# Allegro board 6089-119-RevA_41.brd (continued)
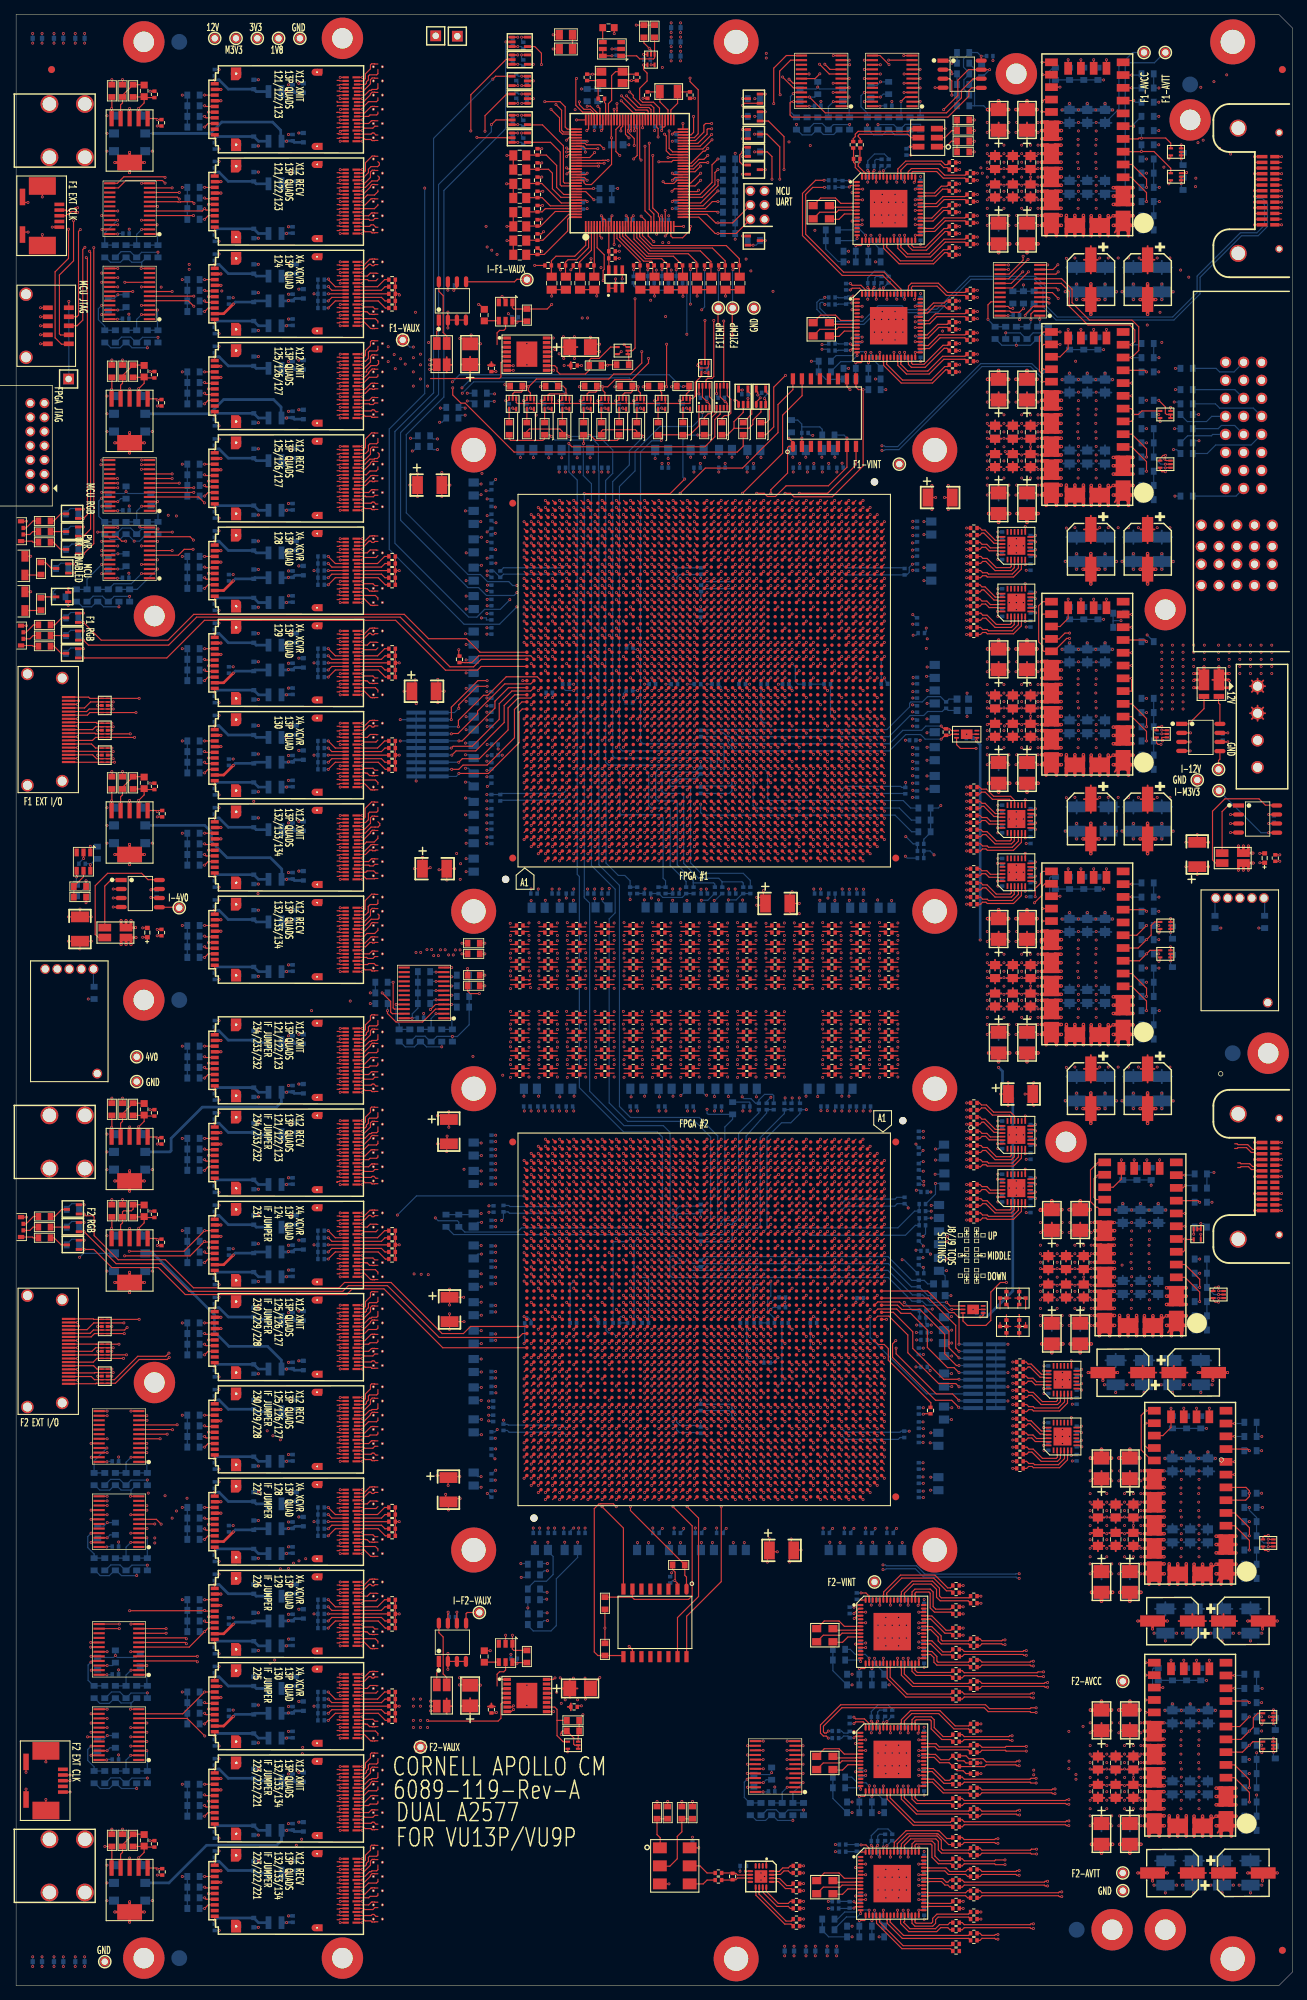
[diagram p0: board, top side]
## Routing (per net, layer and track width the routed paths; a pad name or vN(x,y) marks a point on that pad's centre or on a via; arc(x,y) is an arc through that point) (continued)
NF1_FF1_XMIT0: length 99.6
  TOP w0.165: 45.25,260.97 45.45,260.97 45.52,260.89 45.85,260.89 45.86,260.9 U24A.B17 ; U75.BB44 113.39,202.29
  SIG1 w0.083: 113.39,202.29 113.39,202.03 arc(113.38,201.98) 113.36,201.94 arc(113.31,201.91) 113.25,201.9 113.14,201.9 arc(113.05,201.94) 113.01,202.03 113.01,210.31 arc(112.88,210.94) 112.53,211.47 97.5,226.5 arc(97.06,226.8) 96.54,226.9 90.19,226.9 arc(89.55,227.03) 89.02,227.38 57.55,258.85 arc(56.77,259.37) 55.86,259.55 51.05,259.55 arc(50.31,259.7) 49.68,260.12 49.55,260.25 arc(49,260.62) 48.35,260.75 45.51,260.75 arc(45.48,260.75) 45.45,260.77 45.25,260.97
NF1_FF1_XMIT1: length 95.4
  TOP w0.165: U75.BC46 114.39,204.29 ; U24A.A17 50.05,260.9 50.21,261.06 50.44,261.06 50.72,260.78 51,260.78
  SIG2 w0.083: 114.39,204.29 114.39,204.03 arc(114.38,203.98) 114.36,203.94 arc(114.31,203.91) 114.25,203.9 114.14,203.9 arc(114.05,203.94) 114.01,204.03 114.01,211.36 arc(113.88,211.99) 113.53,212.52 99.71,226.34 arc(99.09,226.75) 98.36,226.9 90.09,226.9 arc(89.54,227.01) 89.08,227.32 56.12,260.28 arc(55.87,260.45) 55.58,260.5 52.17,260.5 arc(52.14,260.51) 52.11,260.53 52.11,260.54 arc(52.08,260.55) 52.05,260.56 52,260.56 51.88,260.68 arc(51.77,260.76) 51.64,260.78 51,260.78
NF1_FF1_XMIT2: length 102.3
  TOP w0.165: 45.25,262.47 45.58,262.47 45.65,262.4 U24A.B14 ; U75.BD44 115.39,202.29
  SIG1 w0.083: 115.39,202.29 115.39,202.03 arc(115.38,201.98) 115.36,201.94 arc(115.31,201.91) 115.25,201.9 115.14,201.9 arc(115.1,201.9) 115.06,201.92 arc(115.04,201.94) 115.03,201.96 arc(115.01,201.99) 115.01,202.03 115.01,210.45 arc(114.9,211) 114.59,211.46 98.55,227.5 arc(98.11,227.8) 97.59,227.9 90.78,227.9 arc(90.06,228.04) 89.45,228.45 56.93,260.97 arc(56.34,261.36) 55.65,261.5 50.39,261.5 arc(49.8,261.62) 49.3,261.95 arc(48.97,262.17) 48.59,262.25 45.51,262.25 arc(45.48,262.25) 45.45,262.27 45.25,262.47
NF1_FF1_XMIT3: length 98.3
  TOP w0.165: U75.BE46 116.39,204.29 ; U24A.A14 49.7,262.4 50.08,262.78 50.16,262.78 50.19,262.81 50.54,262.81 50.57,262.78 51,262.78
  SIG2 w0.083: 51,262.78 51.64,262.78 arc(51.77,262.76) 51.88,262.68 52,262.56 52.05,262.56 arc(52.08,262.55) 52.11,262.54 52.11,262.53 arc(52.14,262.51) 52.17,262.5 54.99,262.5 arc(55.36,262.43) 55.68,262.22 89.58,228.32 arc(90.04,228.01) 90.59,227.9 99.46,227.9 arc(100.19,227.75) 100.81,227.34 115.53,212.62 arc(115.88,212.09) 116.01,211.46 116.01,204.03 arc(116.05,203.94) 116.14,203.9 116.25,203.9 arc(116.31,203.91) 116.36,203.94 arc(116.38,203.98) 116.39,204.03 116.39,204.29
NF1_FF1_XMIT4: length 105.2
  TOP w0.165: 45.22,263.96 45.25,263.96 45.25,263.97 45.58,263.97 45.65,263.9 U24A.B11 ; U75.BF44 117.39,202.29
  SIG1 w0.083: 117.39,202.29 117.39,202.03 arc(117.38,201.98) 117.36,201.94 arc(117.31,201.91) 117.25,201.9 117.14,201.9 arc(117.05,201.94) 117.01,202.03 117.01,210.46 arc(116.88,211.09) 116.53,211.62 99.65,228.5 arc(99.21,228.8) 98.69,228.9 90.54,228.9 arc(90.5,228.91) 90.47,228.93 90.25,229.15 56.28,263.12 arc(55.91,263.36) 55.48,263.45 49.61,263.45 arc(49.42,263.49) 49.25,263.6 arc(49.09,263.71) 48.9,263.75 45.51,263.75 arc(45.48,263.75) 45.45,263.77 45.25,263.97 45.25,263.96 45.22,263.96
NF1_FF1_XMIT5: length 103.6
  TOP w0.165: 48.05,263.9 U24A.A11 49.15,263.9 50.03,264.78 50.16,264.78 50.19,264.81 50.54,264.81 50.57,264.78 51,264.78 ; U75.BH44 119.39,202.29
  SIG2 w0.083: 51,264.78 51.64,264.78 arc(51.77,264.76) 51.88,264.68 52,264.56 52.05,264.56 arc(52.08,264.55) 52.11,264.54 52.11,264.53 arc(52.14,264.51) 52.17,264.5 54.49,264.5 arc(54.86,264.43) 55.18,264.22 90.02,229.38 arc(90.55,229.03) 91.19,228.9 100.31,228.9 arc(101.04,228.75) 101.66,228.34 110.09,219.91 118.53,211.47 arc(118.88,210.94) 119.01,210.31 119.01,202.11 arc(119.07,201.96) 119.23,201.9 119.31,201.9 arc(119.37,201.92) 119.39,201.98 119.39,202.29
NF1_FF1_XMIT6: length 110.4
  TOP w0.165: U24A.B8 45.3,265.4 45.25,265.45 45.25,265.54 ; U75.BJ42 120.39,200.29
  SIG1 w0.083: 45.25,265.54 45.25,265.45 45.45,265.25 45.86,265.25 48.81,265.25 arc(49.07,265.3) 49.3,265.45 arc(49.41,265.52) 49.54,265.55 54.89,265.55 arc(55.31,265.46) 55.68,265.22 90.75,230.15 arc(91.03,229.97) 91.36,229.9 99.54,229.9 arc(100.06,229.8) 100.5,229.5 119.59,210.41 arc(119.9,209.95) 120.01,209.4 120.01,200.11 arc(120.07,199.96) 120.23,199.9 120.31,199.9 arc(120.37,199.92) 120.39,199.98 120.39,200.29
NF1_FF1_XMIT7: length 109.9
  TOP w0.165: 48.05,265.4 U24A.A8 48.9,265.4 49.95,266.45 49.95,266.57 50.19,266.81 50.54,266.81 50.57,266.78 51,266.78 ; U75.BG42 118.39,200.29
  SIG2 w0.083: 118.39,200.29 118.39,199.98 arc(118.37,199.92) 118.31,199.9 118.23,199.9 arc(118.07,199.96) 118.01,200.11 118.01,200.5 arc(118.07,200.63) 118.2,200.69 119.55,200.69 arc(119.87,200.82) 120,201.14 120,211.19 arc(119.9,211.71) 119.6,212.15 116.99,214.76 116.99,214.77 116.66,215.09 116.66,215.09 102.31,229.44 arc(101.8,229.78) 101.19,229.9 91.69,229.9 arc(91.05,230.03) 90.52,230.38 54.68,266.22 arc(54.36,266.43) 53.99,266.5 52.17,266.5 arc(52.14,266.51) 52.11,266.53 52.11,266.54 arc(52.08,266.55) 52.05,266.56 52,266.56 51.88,266.68 arc(51.77,266.76) 51.64,266.78 51,266.78
NF1_FF1_XMIT8: length 110.6
  TOP w0.165: U24A.B5 45.65,266.9 45.58,266.97 45.25,266.97 ; U75.BK44 121.39,202.29
  SIG1 w0.083: 45.25,266.97 45.45,266.77 arc(45.48,266.75) 45.51,266.75 48.37,266.75 arc(48.9,266.85) 49.35,267.15 49.42,267.22 arc(49.74,267.43) 50.12,267.51 54.29,267.51 arc(54.84,267.4) 55.32,267.08 91.25,231.15 arc(91.53,230.97) 91.86,230.9 100.29,230.9 arc(100.81,230.8) 101.25,230.5 116.66,215.09 116.66,215.09 116.99,214.77 116.99,214.76 120.53,211.22 arc(120.88,210.69) 121.01,210.06 121.01,202.11 arc(121.07,201.96) 121.23,201.9 121.31,201.9 arc(121.37,201.92) 121.39,201.98 121.39,202.29
NF1_FF1_XMIT9: length 111.9
  TOP w0.165: 48.05,266.9 U24A.A5 48.86,266.9 49.95,267.99 49.95,268.23 49.95,268.23 49.95,268.57 50.19,268.81 50.54,268.81 50.57,268.78 51,268.78 ; U75.BL42 122.39,200.29
  SIG2 w0.083: 122.39,200.29 122.39,199.98 arc(122.37,199.92) 122.31,199.9 122.23,199.9 arc(122.07,199.96) 122.01,200.11 122.01,211.76 arc(121.9,212.29) 121.6,212.75 104.03,230.32 arc(103.38,230.75) 102.62,230.9 91.99,230.9 arc(91.54,230.99) 91.15,231.25 54.12,268.28 arc(53.87,268.45) 53.58,268.5 52.17,268.5 arc(52.14,268.51) 52.11,268.53 52.11,268.54 arc(52.08,268.55) 52.05,268.56 52,268.56 51.88,268.68 arc(51.77,268.76) 51.64,268.78 51,268.78
NF1_FF1_XMIT10: length 118.1
  TOP w0.165: 45.25,268.47 45.58,268.47 45.65,268.4 U24A.B2 ; U75.BK40 121.39,198.29
  SIG1 w0.083: 121.39,198.29 121.39,197.98 arc(121.37,197.92) 121.31,197.9 121.23,197.9 arc(121.07,197.96) 121.01,198.11 121.01,198.5 arc(121.07,198.63) 121.2,198.69 121.6,198.69 arc(121.88,198.81) 122,199.09 122,211.84 arc(121.91,212.26) 121.67,212.63 103.1,231.2 arc(102.32,231.72) 101.41,231.9 92.59,231.9 arc(92.04,232.01) 91.58,232.32 54.81,269.09 arc(54.47,269.32) 54.06,269.4 50.69,269.4 arc(50.1,269.28) 49.6,268.95 arc(48.82,268.43) 47.9,268.25 45.51,268.25 arc(45.48,268.25) 45.45,268.27 45.25,268.47
NF1_FF1_XMIT11: length 120
  TOP w0.165: U75.BL38 122.39,196.29 ; U24A.A2 48.66,268.4 48.66,268.4 48.91,268.4 49.24,268.72 49.24,269.39 49.95,270.1 49.95,270.65 50.12,270.81 50.54,270.81 50.57,270.78 51,270.78
  SIG2 w0.083: 51,270.78 51.64,270.78 arc(51.77,270.76) 51.88,270.68 52,270.56 52.05,270.56 arc(52.08,270.55) 52.11,270.54 52.11,270.53 arc(52.14,270.51) 52.17,270.5 53.08,270.5 arc(53.37,270.45) 53.62,270.28 91.68,232.22 arc(92.03,231.98) 92.45,231.9 104.09,231.9 arc(104.61,231.8) 105.05,231.5 122.75,213.8 arc(123.13,213.24) 123.26,212.57 123.26,197.24 arc(123.1,196.85) 122.71,196.69 122.2,196.69 arc(122.07,196.63) 122.01,196.5 122.01,196.11 arc(122.07,195.96) 122.23,195.9 122.31,195.9 arc(122.37,195.92) 122.39,195.98 122.39,196.29
NF1_FF2_RECV0: length 59.2
  TOP w0.165: 51,208.78 50.72,208.78 50.44,209.06 50.21,209.06 50.05,208.9 U28A.A17 ; U75.AF49 97.39,207.29
  SIG3 w0.083: 51,208.78 51.64,208.78 arc(51.77,208.76) 51.88,208.68 52,208.56 52.05,208.56 arc(52.08,208.55) 52.11,208.54 52.11,208.53 arc(52.14,208.51) 52.17,208.5 60.78,208.5 arc(61.55,208.66) 62.19,209.09 68.11,215 arc(69.1,215.67) 70.27,215.9 91.41,215.9 arc(92.14,215.75) 92.76,215.34 96.02,212.08 arc(96.75,210.98) 97.01,209.69 97.01,207.03 arc(97.05,206.94) 97.14,206.9 97.25,206.9 arc(97.31,206.91) 97.36,206.94 arc(97.38,206.98) 97.39,207.03 97.39,207.29
NF1_FF2_RECV1: length 64.2
  TOP w0.165: 45.25,208.97 45.58,208.97 45.65,208.9 U28A.B17 ; U75.AG51 98.39,209.29
  SIG4 w0.083: 98.39,209.29 98.39,209.03 arc(98.38,208.98) 98.36,208.94 arc(98.31,208.91) 98.25,208.9 98.14,208.9 ; 98.01,209.03 98.01,209.33 arc(97.88,210.01) 97.49,210.58 90.89,217.18 arc(90.1,217.71) 89.15,217.9 70.18,217.9 arc(69.28,217.72) 68.51,217.21 59.55,208.24 arc(58.78,207.73) 57.88,207.55 51.05,207.55 arc(50.31,207.7) 49.68,208.12 49.55,208.25 arc(49,208.62) 48.35,208.75 45.51,208.75 arc(45.48,208.75) 45.45,208.77 45.25,208.97 ; 98.01,209.03 arc(98.05,208.94) 98.14,208.9 ; 98.01,209.03 arc(98.05,208.94) 98.14,208.9
NF1_FF2_RECV2: length 60.9
  TOP w0.165: 51,210.78 50.57,210.78 50.54,210.81 50.19,210.81 50.16,210.78 50.08,210.78 49.7,210.4 U28A.A14 ; U75.AH49 99.39,207.29
  SIG3 w0.083: 51,210.78 51.64,210.78 arc(51.77,210.76) 51.88,210.68 52,210.56 52.05,210.56 arc(52.08,210.55) 52.11,210.54 52.11,210.53 arc(52.14,210.51) 52.17,210.5 60.46,210.5 arc(61.71,210.75) 62.76,211.46 67.2,215.9 arc(68.31,216.64) 69.62,216.9 91.73,216.9 arc(92.76,216.69) 93.64,216.11 98.06,211.69 arc(98.76,210.64) 99.01,209.4 99.01,207.03 arc(99.05,206.94) 99.14,206.9 99.25,206.9 arc(99.31,206.91) 99.36,206.94 arc(99.38,206.98) 99.39,207.03 99.39,207.29
NF1_FF2_RECV3: length 65.7
  TOP w0.165: U75.AJ51 100.39,209.29 ; 45.25,210.47 45.58,210.47 45.65,210.4 U28A.B14
  SIG4 w0.083: 100.39,209.29 100.39,209.03 arc(100.38,208.98) 100.36,208.94 arc(100.31,208.91) 100.25,208.9 100.14,208.9 arc(100.05,208.94) 100.01,209.03 100.01,209.26 arc(99.92,209.7) 99.67,210.08 91.55,218.2 arc(90.77,218.72) 89.87,218.9 61.8,218.9 arc(61.11,218.76) 60.53,218.37 52.04,209.88 arc(51.61,209.6) 51.11,209.5 50.39,209.5 arc(49.8,209.62) 49.3,209.95 arc(48.97,210.17) 48.59,210.25 45.51,210.25 arc(45.48,210.25) 45.45,210.27 45.25,210.47
NF1_FF2_RECV4: length 64.1
  TOP w0.165: U75.AK49 101.39,207.29 ; 48.05,211.9 U28A.A11 49.15,211.9 50.03,212.78 50.16,212.78 50.19,212.81 50.54,212.81 50.57,212.78 51,212.78
  SIG3 w0.083: 51,212.78 51.64,212.78 arc(51.77,212.76) 51.88,212.68 52,212.56 52.05,212.56 arc(52.08,212.55) 52.11,212.54 52.11,212.53 arc(52.14,212.51) 52.17,212.5 52.32,212.5 arc(52.96,212.63) 53.5,212.99 58.62,218.11 arc(59.49,218.7) 60.52,218.9 91.59,218.9 arc(92.8,218.66) 93.83,217.97 99.93,211.87 arc(100.73,210.67) 101.01,209.26 101.01,207.03 arc(101.05,206.94) 101.14,206.9 101.25,206.9 arc(101.31,206.91) 101.36,206.94 arc(101.38,206.98) 101.39,207.03 101.39,207.29
NF1_FF2_RECV5: length 67.6
  TOP w0.165: U75.AL51 102.39,209.29 ; 45.25,211.97 45.58,211.97 45.65,211.9 U28A.B11
  SIG4 w0.083: 102.39,209.29 102.39,209.03 arc(102.38,208.98) 102.36,208.94 arc(102.31,208.91) 102.25,208.9 102.14,208.9 arc(102.05,208.94) 102.01,209.03 102.01,209.12 arc(101.89,209.74) 101.54,210.25 92.72,219.07 arc(91.81,219.68) 90.72,219.9 61.1,219.9 arc(60.45,219.77) 59.9,219.4 52.49,211.99 arc(51.89,211.59) 51.19,211.45 49.61,211.45 arc(49.42,211.49) 49.25,211.6 arc(49.09,211.71) 48.9,211.75 45.51,211.75 arc(45.48,211.75) 45.45,211.77 45.25,211.97
NF1_FF2_RECV6: length 66.4
  TOP w0.165: U75.AM49 103.39,207.29 ; 51,214.78 50.57,214.78 50.54,214.81 50.19,214.81 49.95,214.57 49.95,214.45 48.9,213.4 U28A.A8 48.05,213.4
  SIG3 w0.083: 51,214.78 51.64,214.78 arc(51.77,214.76) 51.88,214.68 52,214.56 52.05,214.56 arc(52.08,214.55) 52.11,214.54 52.11,214.53 arc(52.14,214.51) 52.17,214.5 52.35,214.5 arc(52.87,214.61) 53.3,214.9 57.38,218.98 arc(58.4,219.66) 59.61,219.9 92.73,219.9 arc(93.76,219.69) 94.64,219.11 102.55,211.2 arc(102.89,210.69) 103.01,210.1 103.01,207.03 arc(103.05,206.94) 103.14,206.9 103.25,206.9 arc(103.31,206.91) 103.36,206.94 arc(103.38,206.98) 103.39,207.03 103.39,207.29
NF1_FF2_RECV7: length 69.5
  TOP w0.165: U28A.B8 45.65,213.4 45.58,213.47 45.25,213.47 ; U75.AN51 104.39,209.29
  SIG4 w0.083: 45.25,213.47 45.45,213.27 arc(45.48,213.25) 45.51,213.25 48.81,213.25 arc(49.07,213.3) 49.3,213.45 arc(49.41,213.52) 49.54,213.55 51.29,213.55 arc(51.9,213.67) 52.42,214.02 58.91,220.51 arc(59.34,220.8) 59.86,220.9 91.33,220.9 arc(92.73,220.62) 93.92,219.83 103.59,210.16 arc(103.9,209.69) 104.01,209.14 104.01,209.03 arc(104.05,208.94) 104.14,208.9 104.25,208.9 arc(104.31,208.91) 104.36,208.94 arc(104.38,208.98) 104.39,209.03 104.39,209.29
NF1_FF2_RECV8: length 69.1
  TOP w0.165: U75.AP49 105.39,207.29 ; 48.05,214.9 U28A.A5 49.06,214.9 49.95,215.8 49.95,216.23 49.95,216.23 49.95,216.57 50.19,216.81 50.54,216.81 50.57,216.78 51,216.78
  SIG3 w0.083: 105.39,207.29 105.39,207.03 arc(105.38,206.98) 105.36,206.94 arc(105.31,206.91) 105.25,206.9 105.14,206.9 arc(105.05,206.94) 105.01,207.03 105.01,210.06 arc(104.88,210.69) 104.53,211.22 95.48,220.27 arc(94.78,220.74) 93.96,220.9 58.23,220.9 arc(57.33,220.72) 56.56,220.21 53.21,216.86 arc(52.82,216.6) 52.36,216.5 52.17,216.5 arc(52.14,216.51) 52.11,216.53 52.11,216.54 arc(52.08,216.55) 52.05,216.56 52,216.56 51.88,216.68 arc(51.77,216.76) 51.64,216.78 51,216.78
NF1_FF2_RECV9: length 71.7
  TOP w0.165: 45.25,214.97 45.58,214.97 45.65,214.9 U28A.B5 ; U75.AR51 106.39,209.29
  SIG4 w0.083: 45.25,214.97 45.45,214.77 arc(45.48,214.75) 45.51,214.75 48.37,214.75 arc(48.9,214.85) 49.35,215.15 arc(49.74,215.41) 50.2,215.5 51.12,215.5 arc(51.79,215.63) 52.37,216.02 57.76,221.41 arc(58.3,221.77) 58.95,221.9 92.52,221.9 arc(93.75,221.66) 94.79,220.96 105.62,210.13 arc(105.91,209.69) 106.01,209.19 106.01,209.03 arc(106.05,208.94) 106.14,208.9 106.25,208.9 arc(106.31,208.91) 106.36,208.94 arc(106.38,208.98) 106.39,209.03 106.39,209.29
NF1_FF2_RECV10: length 71.6
  TOP w0.165: U28A.A2 48.66,216.4 48.66,216.4 48.85,216.4 48.96,216.51 49.03,216.51 49.2,216.68 49.2,216.75 49.24,216.79 49.24,217.94 50.12,218.81 50.54,218.81 50.57,218.78 51,218.78 ; U75.AT49 107.39,207.29
  SIG3 w0.083: 107.39,207.29 107.39,207.03 arc(107.38,206.98) 107.36,206.94 arc(107.31,206.91) 107.25,206.9 107.14,206.9 arc(107.05,206.94) 107.01,207.03 107.01,210.01 arc(106.87,210.73) 106.46,211.34 96.53,221.27 arc(95.83,221.74) 95.01,221.9 56.9,221.9 arc(56.3,221.78) 55.79,221.44 53.18,218.83 arc(52.82,218.59) 52.4,218.5 52.17,218.5 arc(52.14,218.51) 52.11,218.53 52.11,218.54 arc(52.08,218.55) 52.05,218.56 52,218.56 51.88,218.68 arc(51.77,218.76) 51.64,218.78 51,218.78
NF1_FF2_RECV11: length 73.9
  TOP w0.165: 45.25,216.47 45.58,216.47 45.65,216.4 U28A.B2 ; U75.AU51 108.39,209.29
  SIG4 w0.083: 45.25,216.47 45.45,216.27 arc(45.48,216.25) 45.51,216.25 47.9,216.25 arc(48.82,216.43) 49.6,216.95 arc(50.1,217.28) 50.69,217.4 50.91,217.4 arc(51.69,217.55) 52.35,218 56.53,222.18 arc(57.33,222.71) 58.28,222.9 94.31,222.9 arc(94.85,222.79) 95.31,222.48 107.58,210.22 arc(107.9,209.74) 108.01,209.18 108.01,209.03 arc(108.05,208.94) 108.14,208.9 108.25,208.9 arc(108.31,208.91) 108.36,208.94 arc(108.38,208.98) 108.39,209.03 108.39,209.29
NF1_FF2_XMIT0: length 67.5
  TOP w0.165: U27A.B17 45.65,221.9 45.58,221.97 45.25,221.97 ; U75.AF44 97.39,202.29
  SIG1 w0.083: 45.25,221.97 45.45,221.77 arc(45.48,221.75) 45.51,221.75 48.35,221.75 arc(49,221.62) 49.55,221.25 49.68,221.12 arc(50.31,220.7) 51.05,220.55 53.36,220.55 arc(54.09,220.41) 54.7,219.99 55.31,219.39 arc(55.85,219.03) 56.49,218.9 88.5,218.9 arc(89.15,218.77) 89.69,218.41 96.49,211.61 arc(96.87,211.03) 97.01,210.35 97.01,202.03 arc(97.05,201.94) 97.14,201.9 97.25,201.9 arc(97.31,201.91) 97.36,201.94 arc(97.38,201.98) 97.39,202.03 97.39,202.29
NF1_FF2_XMIT1: length 62.1
  TOP w0.165: U75.AG46 98.39,204.29 ; 51,221.78 50.72,221.78 50.44,222.06 50.21,222.06 50.05,221.9 U27A.A17
  SIG2 w0.083: 51,221.78 51.64,221.78 arc(51.77,221.76) 51.88,221.68 52,221.56 52.05,221.56 arc(52.08,221.55) 52.11,221.54 52.11,221.53 arc(52.14,221.51) 52.17,221.5 52.72,221.5 arc(53.16,221.42) 53.52,221.17 55.14,219.55 arc(55.87,219.07) 56.72,218.9 88.41,218.9 arc(89.14,218.75) 89.76,218.34 97.58,210.52 arc(97.9,210.04) 98.01,209.49 98.01,204.03 arc(98.05,203.94) 98.14,203.9 98.25,203.9 arc(98.31,203.91) 98.36,203.94 arc(98.38,203.98) 98.39,204.03 98.39,204.29
NF1_FF2_XMIT2: length 69.9
  TOP w0.165: 45.25,223.47 45.58,223.47 45.65,223.4 U27A.B14 ; U75.AH44 99.39,202.29
  SIG1 w0.083: 45.25,223.47 45.45,223.27 arc(45.48,223.25) 45.51,223.25 48.59,223.25 arc(48.97,223.17) 49.3,222.95 arc(49.8,222.62) 50.39,222.5 53.51,222.5 arc(54.14,222.37) 54.68,222.01 56.31,220.39 arc(56.85,220.03) 57.49,219.9 89.06,219.9 arc(89.79,219.75) 90.41,219.34 98.42,211.33 arc(98.86,210.68) 99.01,209.91 99.01,202.03 arc(99.05,201.94) 99.14,201.9 99.25,201.9 arc(99.31,201.91) 99.36,201.94 arc(99.38,201.98) 99.39,202.03 99.39,202.29
NF1_FF2_XMIT3: length 64.6
  TOP w0.165: U75.AJ46 100.39,204.29 ; U27A.A14 49.78,223.4 50.19,223.81 50.54,223.81 50.57,223.78 51,223.78
  SIG2 w0.083: 51,223.78 51.64,223.78 arc(51.77,223.76) 51.88,223.68 52,223.56 52.05,223.56 arc(52.08,223.55) 52.11,223.54 52.11,223.53 arc(52.14,223.51) 52.17,223.5 52.72,223.5 arc(53.16,223.42) 53.52,223.17 56.14,220.55 arc(56.87,220.07) 57.72,219.9 88.6,219.9 arc(89.75,219.67) 90.73,219.02 99.56,210.18 arc(99.87,209.72) 99.98,209.18 99.98,204.15 100.01,204.12 100.01,204.03 arc(100.05,203.94) 100.14,203.9 100.25,203.9 arc(100.31,203.91) 100.36,203.94 arc(100.38,203.98) 100.39,204.03 100.39,204.29
NF1_FF2_XMIT4: length 72.6
  TOP w0.165: U75.AK44 101.39,202.29 ; 45.25,224.97 45.58,224.97 45.65,224.9 U27A.B11
  SIG1 w0.083: 101.39,202.29 101.39,202.03 arc(101.38,201.98) 101.36,201.94 arc(101.31,201.91) 101.25,201.9 101.14,201.9 arc(101.05,201.94) 101.01,202.03 101.01,210.01 arc(100.87,210.73) 100.46,211.34 91.62,220.18 arc(90.82,220.71) 89.88,220.9 58.39,220.9 arc(57.84,221.01) 57.38,221.32 54.8,223.89 arc(54.19,224.31) 53.46,224.45 49.61,224.45 arc(49.42,224.49) 49.25,224.6 arc(49.09,224.71) 48.9,224.75 45.51,224.75 arc(45.48,224.75) 45.45,224.77 45.25,224.97
NF1_FF2_XMIT5: length 67.7
  TOP w0.165: 51,225.78 50.57,225.78 50.54,225.81 50.19,225.81 50.16,225.78 50.03,225.78 49.15,224.9 U27A.A11 48.05,224.9 ; U75.AL46 102.39,204.29
  SIG2 w0.083: 102.39,204.29 102.39,204.03 arc(102.38,203.98) 102.36,203.94 arc(102.31,203.91) 102.25,203.9 102.14,203.9 arc(102.05,203.94) 102.01,204.03 102.01,209.25 arc(101.91,209.75) 101.63,210.17 91.71,220.08 arc(90.81,220.69) 89.74,220.9 58.72,220.9 arc(57.87,221.07) 57.14,221.55 53.52,225.17 arc(53.16,225.42) 52.72,225.5 52.17,225.5 arc(52.14,225.51) 52.11,225.53 52.11,225.54 arc(52.08,225.55) 52.05,225.56 52,225.56 51.88,225.68 arc(51.77,225.76) 51.64,225.78 51,225.78
NF1_FF2_XMIT6: length 75.5
  TOP w0.165: U75.AM44 103.39,202.29 ; U27A.B8 45.65,226.4 45.58,226.47 45.25,226.47
  SIG1 w0.083: 103.39,202.29 103.39,202.03 arc(103.38,201.98) 103.36,201.94 arc(103.31,201.91) 103.25,201.9 103.14,201.9 arc(103.05,201.94) 103.01,202.03 103.01,210.06 arc(102.88,210.69) 102.53,211.22 92.57,221.18 arc(91.77,221.71) 90.83,221.9 59.16,221.9 arc(58.82,221.97) 58.54,222.16 54.63,226.06 arc(54.09,226.42) 53.46,226.55 49.54,226.55 arc(49.41,226.52) 49.3,226.45 arc(49.07,226.3) 48.81,226.25 45.51,226.25 arc(45.48,226.25) 45.45,226.27 45.25,226.47
NF1_FF2_XMIT7: length 70.8
  TOP w0.165: U75.AN46 104.39,204.29 ; 51,227.78 50.57,227.78 50.54,227.81 50.19,227.81 49.7,227.32 49.7,227.2 48.9,226.4 U27A.A8 48.05,226.4
  SIG2 w0.083: 51,227.78 51.64,227.78 arc(51.77,227.76) 51.88,227.68 52,227.56 52.05,227.56 arc(52.08,227.55) 52.11,227.54 52.11,227.53 arc(52.14,227.51) 52.17,227.5 52.72,227.5 arc(53.16,227.42) 53.52,227.17 58.07,222.62 arc(58.87,222.09) 59.82,221.9 90.83,221.9 arc(91.77,221.71) 92.57,221.18 103.66,210.09 arc(103.92,209.7) 104.01,209.24 104.01,204.03 arc(104.05,203.94) 104.14,203.9 104.25,203.9 arc(104.31,203.91) 104.36,203.94 arc(104.38,203.98) 104.39,204.03 104.39,204.29
NF1_FF2_XMIT8: length 78.4
  TOP w0.165: U75.AP44 105.39,202.29 ; 45.25,227.97 45.58,227.97 45.65,227.9 U27A.B5
  SIG1 w0.083: 45.25,227.97 45.45,227.77 arc(45.48,227.75) 45.51,227.75 48.37,227.75 arc(48.9,227.85) 49.35,228.15 arc(49.74,228.41) 50.2,228.5 53.27,228.5 arc(54.13,228.33) 54.85,227.85 59.47,223.23 arc(59.83,222.98) 60.26,222.9 92.15,222.9 arc(92.8,222.77) 93.34,222.41 104.59,211.16 arc(104.9,210.7) 105.01,210.15 105.01,202.03 arc(105.05,201.94) 105.14,201.9 105.25,201.9 arc(105.31,201.91) 105.36,201.94 arc(105.38,201.98) 105.39,202.03 105.39,202.29
NF1_FF2_XMIT9: length 74.2
  TOP w0.165: 51,229.78 50.57,229.78 50.54,229.81 50.19,229.81 49.95,229.57 49.95,229.23 49.95,229.23 49.95,228.8 49.06,227.9 U27A.A5 48.05,227.9 ; U75.AR46 106.39,204.29
  SIG2 w0.083: 106.39,204.29 106.39,204.03 arc(106.38,203.98) 106.36,203.94 arc(106.31,203.91) 106.25,203.9 106.14,203.9 arc(106.05,203.94) 106.01,204.03 106.01,209.23 arc(105.92,209.7) 105.65,210.1 93.74,222.01 arc(92.75,222.67) 91.59,222.9 60.82,222.9 arc(59.87,223.09) 59.07,223.62 53.52,229.17 arc(53.16,229.42) 52.72,229.5 52.17,229.5 arc(52.14,229.51) 52.11,229.53 52.11,229.54 arc(52.08,229.55) 52.05,229.56 52,229.56 51.88,229.68 arc(51.77,229.76) 51.64,229.78 51,229.78
NF1_FF2_XMIT10: length 81.4
  TOP w0.165: 45.25,229.47 45.58,229.47 45.65,229.4 U27A.B2 ; U75.AT44 107.39,202.29
  SIG1 w0.083: 107.39,202.29 107.39,202.03 arc(107.38,201.98) 107.36,201.94 arc(107.31,201.91) 107.25,201.9 107.14,201.9 arc(107.05,201.94) 107.01,202.03 107.01,210.2 arc(106.9,210.75) 106.59,211.21 94.12,223.68 arc(93.88,223.84) 93.59,223.9 61.16,223.9 arc(60.82,223.97) 60.54,224.16 54.95,229.75 arc(54.23,230.23) 53.37,230.4 50.69,230.4 arc(50.1,230.28) 49.6,229.95 arc(48.82,229.43) 47.9,229.25 45.51,229.25 arc(45.48,229.25) 45.45,229.27 45.25,229.47
NF1_FF2_XMIT11: length 77.6
  TOP w0.165: U75.AU46 108.39,204.29 ; 51,231.78 50.57,231.78 50.54,231.81 50.12,231.81 49.95,231.65 49.95,231.1 49.24,230.39 49.24,229.79 49.2,229.75 49.2,229.68 49.03,229.51 48.96,229.51 48.85,229.4 48.66,229.4 48.66,229.4 U27A.A2
  SIG2 w0.083: 51,231.78 51.64,231.78 arc(51.77,231.76) 51.88,231.68 52,231.56 52.05,231.56 arc(52.08,231.55) 52.11,231.54 52.11,231.53 arc(52.14,231.51) 52.17,231.5 52.72,231.5 arc(53.16,231.42) 53.52,231.17 60.07,224.62 arc(60.87,224.09) 61.82,223.9 93.59,223.9 arc(93.88,223.84) 94.12,223.68 107.62,210.18 arc(107.91,209.75) 108.01,209.24 108.01,204.03 arc(108.05,203.94) 108.14,203.9 108.25,203.9 arc(108.31,203.91) 108.36,203.94 arc(108.38,203.98) 108.39,204.03 108.39,204.29
NF1_FF3_RECV0: length 62.9
  TOP w0.165: 51,143.78 50.72,143.78 50.46,144.04 49.69,144.04 49.55,143.9 U33A.A17 ; U75.C33 73.61,191.29
  SIG3 w0.083: 73.61,191.29 73.61,191.01 arc(73.56,190.9) 73.45,190.85 73.34,190.85 arc(73.09,190.75) 72.99,190.5 72.99,190.2 arc(72.91,189.99) 72.7,189.91 71.66,189.91 arc(71.06,189.79) 70.55,189.45 66.42,185.32 arc(65.95,184.62) 65.79,183.8 65.79,157.12 arc(65.67,156.54) 65.34,156.04 53.13,143.83 arc(52.77,143.59) 52.35,143.5 52.17,143.5 arc(52.14,143.51) 52.11,143.53 52.11,143.54 arc(52.08,143.55) 52.05,143.56 52,143.56 51.88,143.68 arc(51.77,143.76) 51.64,143.78 51,143.78
NF1_FF3_RECV1: length 68.8
  TOP w0.165: U75.B35 72.61,193.29 ; U33A.B17 45.65,143.9 45.58,143.97 45.25,143.97
  SIG4 w0.083: 72.61,193.29 72.61,192.98 72.53,192.9 71,192.9 66.35,188.25 arc(65.93,187.63) 65.79,186.9 65.79,157.21 arc(65.66,156.54) 65.28,155.98 52.33,143.03 arc(51.8,142.67) 51.18,142.55 51.05,142.55 arc(50.31,142.7) 49.68,143.12 49.55,143.25 arc(49,143.62) 48.35,143.75 45.51,143.75 arc(45.48,143.75) 45.45,143.77 45.25,143.97
NF1_FF3_RECV2: length 59.5
  TOP w0.165: U33A.A14 49.78,145.4 50.19,145.81 50.54,145.81 50.57,145.78 51,145.78 ; U75.A33 71.61,191.29
  SIG3 w0.083: 51,145.78 51.64,145.78 arc(51.77,145.76) 51.88,145.68 52,145.56 52.05,145.56 arc(52.08,145.55) 52.11,145.54 52.11,145.53 arc(52.14,145.51) 52.17,145.5 52.32,145.5 arc(53.05,145.65) 53.67,146.06 64.34,156.74 arc(64.67,157.24) 64.79,157.82 64.79,184.07 arc(65,185.11) 65.58,185.98 70.06,190.46 arc(70.54,190.78) 71.11,190.9 71.3,190.9 arc(71.52,190.99) 71.61,191.2 71.61,191.29
NF1_FF3_RECV3: length 77.8
  TOP w0.165: U33A.B14 45.65,145.4 45.58,145.47 45.25,145.47 ; U75.A47 71.61,205.29
  SIG4 w0.083: 45.25,145.47 45.45,145.27 arc(45.48,145.25) 45.51,145.25 48.59,145.25 arc(48.97,145.17) 49.3,144.95 arc(49.8,144.62) 50.39,144.5 51.21,144.5 arc(52.04,144.66) 52.73,145.13 64.21,156.61 arc(64.64,157.25) 64.79,158 64.79,197.63 arc(64.99,198.61) 65.54,199.44 70.68,204.58 arc(71.01,204.8) 71.39,204.88 arc(71.55,204.94) 71.61,205.09 71.61,205.29
NF1_FF3_RECV4: length 73.5
  TOP w0.165: 48.05,146.9 U33A.A11 49.15,146.9 50.03,147.78 50.16,147.78 50.19,147.81 50.54,147.81 50.57,147.78 51,147.78 ; U75.C47 73.61,205.29
  SIG3 w0.083: 73.61,205.29 73.61,205.15 arc(73.53,204.97) 73.35,204.9 71.47,204.9 arc(71.03,204.81) 70.66,204.56 64.39,198.29 arc(63.95,197.63) 63.79,196.85 63.79,158.93 arc(63.67,158.34) 63.34,157.84 53.5,147.99 arc(52.96,147.63) 52.32,147.5 52.17,147.5 arc(52.14,147.51) 52.11,147.53 52.11,147.54 arc(52.08,147.55) 52.05,147.56 52,147.56 51.88,147.68 arc(51.77,147.76) 51.64,147.78 51,147.78
